# KiCad board RUSP_Mainboard_panelMockup.kicad_pcb (continued)
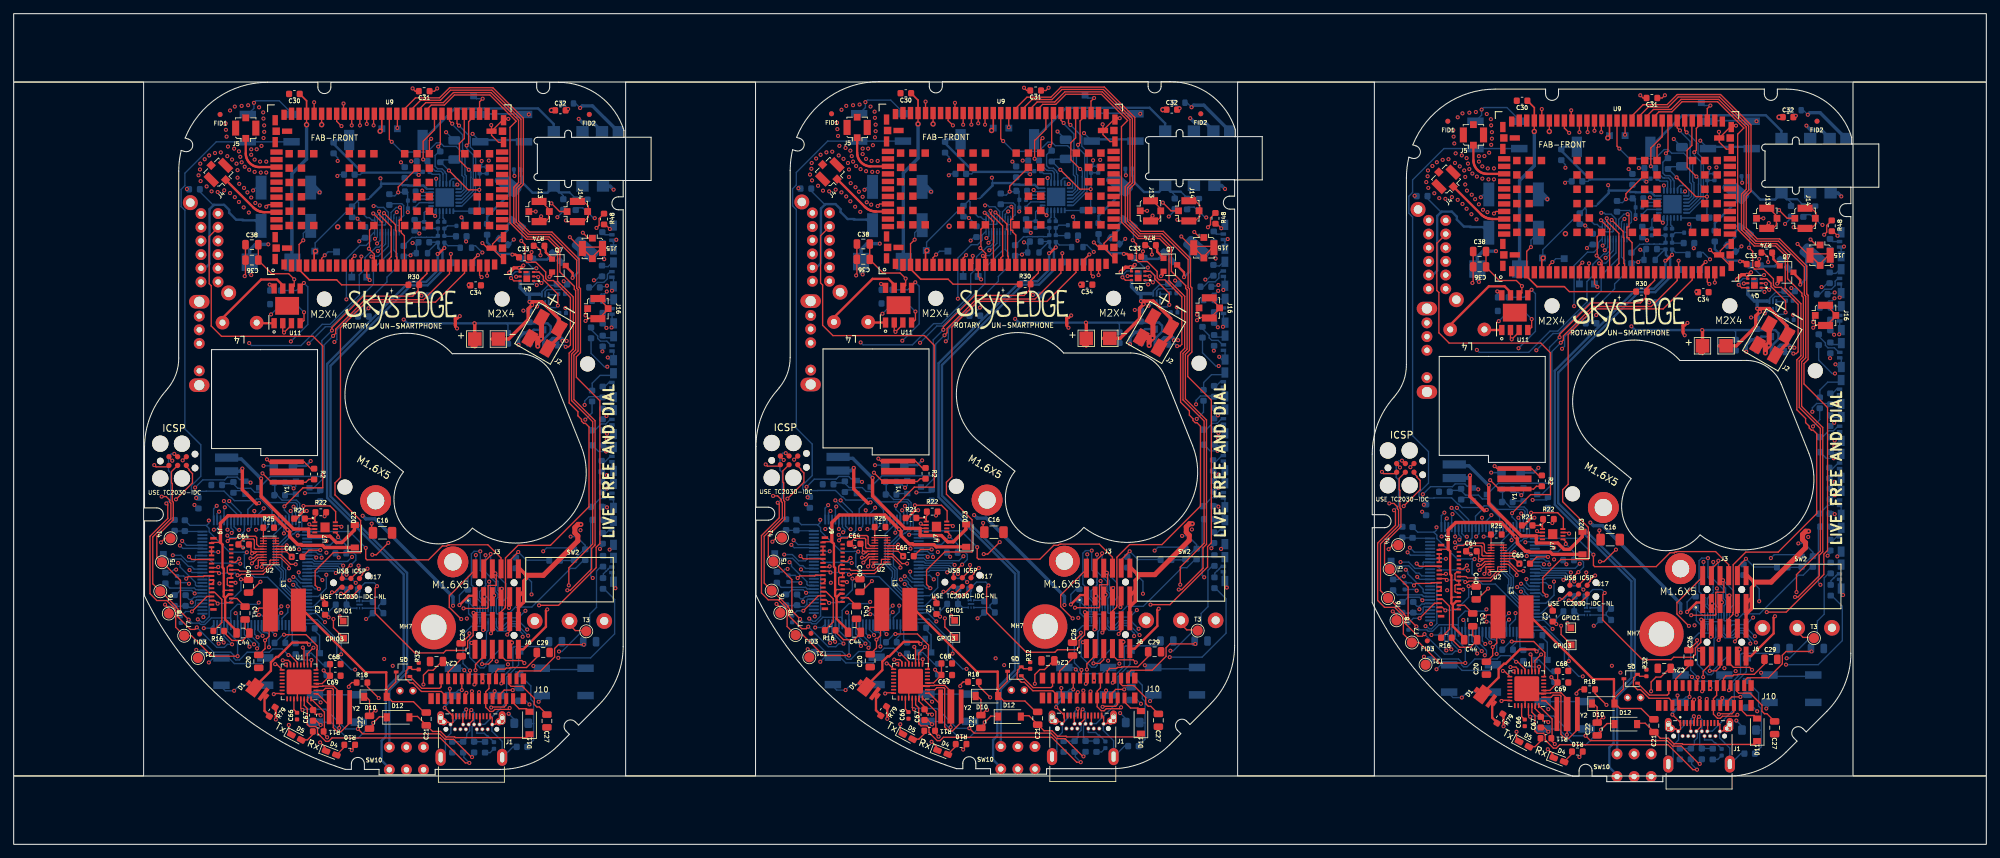
[diagram p0: board, top side]
## Placement (name value [footprint] x y rotation side) (continued)
J6  12p Male Samtec Connector  [Samtec_2x6Header_FTSH-106-01-L-DV]  70.64 30.56 0 top
J6#2  12p Male Samtec Connector  [Samtec_2x6Header_FTSH-106-01-L-DV]  160.06 30.66 0 top
J6#3  12p Male Samtec Connector  [Samtec_2x6Header_FTSH-106-01-L-DV]  250.19 29.57 0 top
J7  Conn_02x03_Counter_Clockwise  [Tag-Connect_TC2030-IDC]  21.44 56.06 0 top
J7#2  Conn_02x03_Counter_Clockwise  [Tag-Connect_TC2030-IDC]  200.99 55.07 0 top
J7#3  Conn_02x03_Counter_Clockwise  [Tag-Connect_TC2030-IDC]  110.86 56.16 0 top
J8  TRRS Jack  [AudioJack_TRRS_CUI_SJ-43617-SMT-TR]  89.19 100.26 180 bottom
J8#2  TRRS Jack  [AudioJack_TRRS_CUI_SJ-43617-SMT-TR]  178.61 100.36 180 bottom
J8#3  TRRS Jack  [AudioJack_TRRS_CUI_SJ-43617-SMT-TR]  268.74 99.27 180 bottom
J9  FPC Connector for OLED  [Hirose_FPC_FH26W-31S-0.3SHW(60)]  30.24 39.26 270 top
J9#2  FPC Connector for OLED  [Hirose_FPC_FH26W-31S-0.3SHW(60)]  209.79 38.27 270 top
J9#3  FPC Connector for OLED  [Hirose_FPC_FH26W-31S-0.3SHW(60)]  119.66 39.36 270 top
J10  FPC Connector for ePaper  [Molex_24pFPC_Vert_0525592452]  67.54 22.76 0 top
J10#2  FPC Connector for ePaper  [Molex_24pFPC_Vert_0525592452]  247.09 21.77 0 top
J10#3  FPC Connector for ePaper  [Molex_24pFPC_Vert_0525592452]  156.96 22.86 0 top
J13  U.FL  [U.FL_Molex_MCRF_73412-0110_Vertical]  76.84 92.56 270 top
J13#2  U.FL  [U.FL_Molex_MCRF_73412-0110_Vertical]  166.26 92.66 270 top
J13#3  U.FL  [U.FL_Molex_MCRF_73412-0110_Vertical]  256.39 91.57 270 top
J14  U.FL  [U.FL_Molex_MCRF_73412-0110_Vertical]  82.44 92.56 270 top
J14#2  U.FL  [U.FL_Molex_MCRF_73412-0110_Vertical]  171.86 92.66 270 top
J14#3  U.FL  [U.FL_Molex_MCRF_73412-0110_Vertical]  261.99 91.57 270 top
J15  U.FL  [U.FL_Molex_MCRF_73412-0110_Vertical]  84.64 87.16 180 top
J15#2  U.FL  [U.FL_Molex_MCRF_73412-0110_Vertical]  264.19 86.17 180 top
J15#3  U.FL  [U.FL_Molex_MCRF_73412-0110_Vertical]  174.06 87.26 180 top
J16  U.FL  [U.FL_Molex_MCRF_73412-0110_Vertical]  85.44 78.36 270 top
J16#2  U.FL  [U.FL_Molex_MCRF_73412-0110_Vertical]  264.99 77.37 270 top
J16#3  U.FL  [U.FL_Molex_MCRF_73412-0110_Vertical]  174.86 78.46 270 top
J17  Conn_02x03_Counter_Clockwise  [Tag-Connect_TC2030-IDC_MINIMAL]  49.17 38.25 0 top
J17#2  Conn_02x03_Counter_Clockwise  [Tag-Connect_TC2030-IDC_MINIMAL]  228.72 37.26 0 top
J17#3  Conn_02x03_Counter_Clockwise  [Tag-Connect_TC2030-IDC_MINIMAL]  138.59 38.35 0 top
L1  Ferrite Bead for VBus  [R_0805_2012Metric_Pad1.15x1.40mm_HandSolder]  74.24 17.71 180 bottom
L1#2  Ferrite Bead for VBus  [R_0805_2012Metric_Pad1.15x1.40mm_HandSolder]  253.79 16.72 180 bottom
L1#3  Ferrite Bead for VBus  [R_0805_2012Metric_Pad1.15x1.40mm_HandSolder]  163.66 17.81 180 bottom
L2  4.7uH  [Inductor_Wurth_74438336100]  31.14 55.56 90 bottom
L2#2  4.7uH  [Inductor_Wurth_74438336100]  120.56 55.66 90 bottom
L2#3  4.7uH  [Inductor_Wurth_74438336100]  210.69 54.57 90 bottom
L3  10uH  [Inductor10uH_Wurth_744053100]  39.59 34.26 270 top
L3#2  10uH  [Inductor10uH_Wurth_744053100]  129.01 34.36 270 top
L3#3  10uH  [Inductor10uH_Wurth_744053100]  219.14 33.27 270 top
L4  Solenoid Inductor  [BournsInductor_RLB9012-472KL]  212.59 75.27 180 top
L4#2  Solenoid Inductor  [BournsInductor_RLB9012-472KL]  33.04 76.26 180 top
L4#3  Solenoid Inductor  [BournsInductor_RLB9012-472KL]  122.46 76.36 180 top
L5  EMI Ferrite  [L_0402_1005Metric]  62.99 88.51 270 bottom
L5#2  EMI Ferrite  [L_0402_1005Metric]  152.41 88.61 270 bottom
L5#3  EMI Ferrite  [L_0402_1005Metric]  242.54 87.52 270 bottom
L6  EMI Ferrite  [L_0402_1005Metric]  62.04 88.51 270 bottom
L6#2  EMI Ferrite  [L_0402_1005Metric]  151.46 88.61 270 bottom
L6#3  EMI Ferrite  [L_0402_1005Metric]  241.59 87.52 270 bottom
L7  EMI Ferrite  [L_0402_1005Metric]  73.64 98.71 180 bottom
L7#2  EMI Ferrite  [L_0402_1005Metric]  163.06 98.81 180 bottom
L7#3  EMI Ferrite  [L_0402_1005Metric]  253.19 97.72 180 bottom
L8  EMI Ferrite  [L_0402_1005Metric]  60.34 98.36 0 bottom
L8#2  EMI Ferrite  [L_0402_1005Metric]  239.89 97.37 0 bottom
L8#3  EMI Ferrite  [L_0402_1005Metric]  149.76 98.46 0 bottom
LOGO1  Logo1  [SkysEdge_21mm]  56.74 79.21 0 top
LOGO1#2  Logo1  [SkysEdge_21mm]  146.16 79.31 0 top
LOGO1#3  Logo1  [SkysEdge_21mm]  236.29 78.22 0 top
LOGO2  Logo2  [SkysEdge_18mm]  56.49 108.76 180 bottom
LOGO2#2  Logo2  [SkysEdge_18mm]  236.04 107.77 180 bottom
LOGO2#3  Logo2  [SkysEdge_18mm]  145.91 108.86 180 bottom
LS1  Speaker (DNP)  [Speaker_PUI_AR01232MS-SC12-WP-R]  54.44 105.26 180 bottom
LS1#2  Speaker (DNP)  [Speaker_PUI_AR01232MS-SC12-WP-R]  143.86 105.36 180 bottom
LS1#3  Speaker (DNP)  [Speaker_PUI_AR01232MS-SC12-WP-R]  233.99 104.27 180 bottom
MH1  MountingHole  [MountingHole_2.2mm_M2]  45.44 79.76 0 top
MH1#2  MountingHole  [MountingHole_2.2mm_M2]  224.99 78.77 0 top
MH1#3  MountingHole  [MountingHole_2.2mm_M2]  134.86 79.86 0 top
MH3  MountingHole  [MountingHole_2.2mm_M2]  48.44 52.26 0 top
MH3#2  MountingHole  [MountingHole_2.2mm_M2]  137.86 52.36 0 top
MH3#3  MountingHole  [MountingHole_2.2mm_M2]  227.99 51.27 0 top
MH4  MountingHole  [MountingHole_2.2mm_M2]  71.44 79.76 0 top
MH4#2  MountingHole  [MountingHole_2.2mm_M2]  250.99 78.77 0 top
MH4#3  MountingHole  [MountingHole_2.2mm_M2]  160.86 79.86 0 top
MH7  M2 SMT Nut  [SMTSO-M2-3ET]  61.44 31.76 0 top
MH7#2  M2 SMT Nut  [SMTSO-M2-3ET]  240.99 30.77 0 top
MH7#3  M2 SMT Nut  [SMTSO-M2-3ET]  150.86 31.86 0 top
MH8  MountingHole  [MountingHole_2.2mm_M2]  83.94 70.26 0 top
MH8#2  MountingHole  [MountingHole_2.2mm_M2]  173.36 70.36 0 top
MH8#3  MountingHole  [MountingHole_2.2mm_M2]  263.49 69.27 0 top
MH9  M1.6 SMT Nut  [SMTSO-M1.6-1ET]  52.94 50.31 0 bottom
MH9#2  M1.6 SMT Nut  [SMTSO-M1.6-1ET]  142.36 50.41 0 bottom
MH9#3  M1.6 SMT Nut  [SMTSO-M1.6-1ET]  232.49 49.32 0 bottom
MH10  M1.6 SMT Nut  [SMTSO-M1.6-1ET]  64.24 41.36 0 bottom
MH10#2  M1.6 SMT Nut  [SMTSO-M1.6-1ET]  243.79 40.37 0 bottom
MH10#3  M1.6 SMT Nut  [SMTSO-M1.6-1ET]  153.66 41.46 0 bottom
MK1  2k2 Electret Mic  [Microphone_PUI_POM-2738P-R]  57.44 23.26 0 bottom
MK1#2  2k2 Electret Mic  [Microphone_PUI_POM-2738P-R]  236.99 22.27 0 bottom
MK1#3  2k2 Electret Mic  [Microphone_PUI_POM-2738P-R]  146.86 23.36 0 bottom
NT2  Net-Tie_2  [NetTie-2_SMD_Pad0.5mm]  64.59 76.41 90 top
NT2#2  Net-Tie_2  [NetTie-2_SMD_Pad0.5mm]  154.01 76.51 90 top
NT2#3  Net-Tie_2  [NetTie-2_SMD_Pad0.5mm]  244.14 75.42 90 top
Q1  DMG2302UK-7  [SOT-23]  42.26 52.16 0 bottom
Q1#2  DMG2302UK-7  [SOT-23]  131.69 52.26 0 bottom
Q1#3  DMG2302UK-7  [SOT-23]  221.81 51.17 0 bottom
Q2  DMG2302UK-7  [SOT-23]  34.89 52.16 0 bottom
Q2#2  DMG2302UK-7  [SOT-23]  214.44 51.17 0 bottom
Q2#3  DMG2302UK-7  [SOT-23]  124.31 52.26 0 bottom
Q3  CSD16301Q2  [TI_CSD16301Q2]  75.04 83.06 180 bottom
Q3#2  CSD16301Q2  [TI_CSD16301Q2]  254.59 82.07 180 bottom
Q3#3  CSD16301Q2  [TI_CSD16301Q2]  164.46 83.16 180 bottom
Q4  CSD16301Q2  [TI_CSD16301Q2]  75.04 83.06 180 top
Q4#2  CSD16301Q2  [TI_CSD16301Q2]  254.59 82.07 180 top
Q4#3  CSD16301Q2  [TI_CSD16301Q2]  164.46 83.16 180 top
Q5  N-MOSFET 30V 1.4A  [SOT-323_SC-70]  56.94 25.21 180 top
Q5#2  N-MOSFET 30V 1.4A  [SOT-323_SC-70]  146.36 25.31 180 top
Q5#3  N-MOSFET 30V 1.4A  [SOT-323_SC-70]  236.49 24.22 180 top
Q6  MMBT3904  [SOT-23]  43.89 28.96 90 bottom
Q6#2  MMBT3904  [SOT-23]  223.44 27.97 90 bottom
Q6#3  MMBT3904  [SOT-23]  133.31 29.06 90 bottom
Q7  MMBT3904  [SOT-23]  79.74 84.66 0 top
Q7#2  MMBT3904  [SOT-23]  259.29 83.67 0 top
Q7#3  MMBT3904  [SOT-23]  169.16 84.76 0 top
R1  10k  [R_0603_1608Metric]  25.14 35.66 90 bottom
R1#2  10k  [R_0603_1608Metric]  204.69 34.67 90 bottom
R1#3  10k  [R_0603_1608Metric]  114.56 35.76 90 bottom
R2  1M  [R_0603_1608Metric]  43.94 54.16 270 top
R2#2  1M  [R_0603_1608Metric]  133.36 54.26 270 top
R2#3  1M  [R_0603_1608Metric]  223.49 53.17 270 top
R3  27R  [R_0603_1608Metric]  22.19 38.96 270 bottom
R3#2  27R  [R_0603_1608Metric]  111.61 39.06 270 bottom
R3#3  27R  [R_0603_1608Metric]  201.74 37.97 270 bottom
R4  5k1  [R_0402_1005Metric]  70.24 14.46 270 bottom
R4#2  5k1  [R_0402_1005Metric]  249.79 13.47 270 bottom
R4#3  5k1  [R_0402_1005Metric]  159.66 14.56 270 bottom
R5  5k1  [R_0402_1005Metric]  65.29 18.86 180 bottom
R5#2  5k1  [R_0402_1005Metric]  244.84 17.87 180 bottom
R5#3  5k1  [R_0402_1005Metric]  154.71 18.96 180 bottom
R6  27R  [R_0603_1608Metric]  67.34 14.23 90 bottom
R6#2  27R  [R_0603_1608Metric]  246.89 13.23 90 bottom
R6#3  27R  [R_0603_1608Metric]  156.76 14.33 90 bottom
R7  27R  [R_0603_1608Metric]  65.74 14.21 90 bottom
R7#2  27R  [R_0603_1608Metric]  245.29 13.22 90 bottom
R7#3  27R  [R_0603_1608Metric]  155.16 14.31 90 bottom
R8  1k  [R_0603_1608Metric]  41.24 28.61 90 bottom
R8#2  1k  [R_0603_1608Metric]  130.66 28.71 90 bottom
R8#3  1k  [R_0603_1608Metric]  220.79 27.62 90 bottom
R9  1k  [R_0603_1608Metric]  38.94 29.46 180 bottom
R9#2  1k  [R_0603_1608Metric]  128.36 29.56 180 bottom
R9#3  1k  [R_0603_1608Metric]  218.49 28.47 180 bottom
R10  1k  [R_0603_1608Metric]  49.14 14.56 180 top
R10#2  1k  [R_0603_1608Metric]  138.56 14.66 180 top
R10#3  1k  [R_0603_1608Metric]  228.69 13.57 180 top
R11  1k  [R_0603_1608Metric]  44.54 16.51 180 top
R11#2  1k  [R_0603_1608Metric]  133.96 16.61 180 top
R11#3  1k  [R_0603_1608Metric]  224.09 15.52 180 top
R12  330R  [R_0603_1608Metric]  75.44 77.16 90 bottom
R12#2  330R  [R_0603_1608Metric]  254.99 76.17 90 bottom
R12#3  330R  [R_0603_1608Metric]  164.86 77.26 90 bottom
R13  2k2  [R_0402_1005Metric]  80.14 80.51 180 bottom
R13#2  2k2  [R_0402_1005Metric]  169.56 80.61 180 bottom
R13#3  2k2  [R_0402_1005Metric]  259.69 79.52 180 bottom
R14  2k2  [R_0402_1005Metric]  80.29 77.71 180 bottom
R14#2  2k2  [R_0402_1005Metric]  169.71 77.81 180 bottom
R14#3  2k2  [R_0402_1005Metric]  259.84 76.72 180 bottom
R15  10R  [R_0603_1608Metric]  69.24 89.96 270 bottom
R15#2  10R  [R_0603_1608Metric]  248.79 88.97 270 bottom
R15#3  10R  [R_0603_1608Metric]  158.66 90.06 270 bottom
R16  510k  [R_0603_1608Metric]  29.99 31.21 0 top
R16#2  510k  [R_0603_1608Metric]  119.41 31.31 0 top
R16#3  510k  [R_0603_1608Metric]  209.54 30.22 0 top
R17  1k5  [R_0603_1608Metric]  71.64 88.16 325 bottom
R17#2  1k5  [R_0603_1608Metric]  161.06 88.26 325 bottom
R17#3  1k5  [R_0603_1608Metric]  251.19 87.17 325 bottom
R18  10k  [R_0603_1608Metric]  50.94 23.66 0 top
R18#2  10k  [R_0603_1608Metric]  140.36 23.76 0 top
R18#3  10k  [R_0603_1608Metric]  230.49 22.67 0 top
R19  100R  [R_0603_1608Metric]  53.29 33.81 180 bottom
R19#2  100R  [R_0603_1608Metric]  142.71 33.91 180 bottom
R19#3  100R  [R_0603_1608Metric]  232.84 32.82 180 bottom
R20  100R  [R_0603_1608Metric]  26.44 95.82 0 bottom
R20#2  100R  [R_0603_1608Metric]  205.99 94.82 0 bottom
R20#3  100R  [R_0603_1608Metric]  115.86 95.92 0 bottom
R21  1.05M  [R_0603_1608Metric]  41.81 47.64 0 top
R21#2  1.05M  [R_0603_1608Metric]  221.35 46.65 0 top
R21#3  1.05M  [R_0603_1608Metric]  131.23 47.74 0 top
R22  120k  [R_0603_1608Metric]  44.91 48.56 0 top
R22#2  120k  [R_0603_1608Metric]  134.34 48.66 0 top
R22#3  120k  [R_0603_1608Metric]  224.46 47.57 0 top
R23  1M  [R_0603_1608Metric]  38.29 79.01 180 bottom
R23#2  1M  [R_0603_1608Metric]  127.71 79.11 180 bottom
R23#3  1M  [R_0603_1608Metric]  217.84 78.02 180 bottom
R24  1M  [R_0603_1608Metric]  38.29 81.01 180 bottom
R24#2  1M  [R_0603_1608Metric]  127.71 81.11 180 bottom
R24#3  1M  [R_0603_1608Metric]  217.84 80.02 180 bottom
R25  10k  [R_0603_1608Metric]  37.29 46.31 0 top
R25#2  10k  [R_0603_1608Metric]  126.71 46.41 0 top
R25#3  10k  [R_0603_1608Metric]  216.84 45.32 0 top
R26  100k  [R_0603_1608Metric]  83.59 42.36 270 bottom
R26#2  100k  [R_0603_1608Metric]  173.01 42.46 270 bottom
R26#3  100k  [R_0603_1608Metric]  263.14 41.37 270 bottom
R27  100k  [R_0603_1608Metric]  81.94 42.36 90 bottom
R27#2  100k  [R_0603_1608Metric]  171.36 42.46 90 bottom
R27#3  100k  [R_0603_1608Metric]  261.49 41.37 90 bottom
R28  10k  [R_0603_1608Metric]  23.54 46.66 90 bottom
R28#2  10k  [R_0603_1608Metric]  112.96 46.76 90 bottom
R28#3  10k  [R_0603_1608Metric]  203.09 45.67 90 bottom
R29  1k  [R_0603_1608Metric]  25.04 46.61 90 bottom
R29#2  1k  [R_0603_1608Metric]  204.59 45.62 90 bottom
R29#3  1k  [R_0603_1608Metric]  114.46 46.71 90 bottom
R30  100k  [R_0603_1608Metric]  58.51 81.84 0 top
R30#2  100k  [R_0603_1608Metric]  147.94 81.94 0 top
R30#3  100k  [R_0603_1608Metric]  238.06 80.84 0 top
R32  0.47R  [R_0402_1005Metric]  59.24 26.06 90 top
R32#2  0.47R  [R_0402_1005Metric]  238.79 25.07 90 top
R32#3  0.47R  [R_0402_1005Metric]  148.66 26.16 90 top
R33  10k  [R_0603_1608Metric]  54.94 94.31 90 bottom
R33#2  10k  [R_0603_1608Metric]  144.36 94.41 90 bottom
R33#3  10k  [R_0603_1608Metric]  234.49 93.32 90 bottom
R34  1M  [R_0603_1608Metric]  38.89 52.91 0 bottom
R34#2  1M  [R_0603_1608Metric]  128.31 53.01 0 bottom
R34#3  1M  [R_0603_1608Metric]  218.44 51.92 0 bottom
R35  2k2  [R_0402_1005Metric]  65.24 90.46 0 bottom
R35#2  2k2  [R_0402_1005Metric]  244.79 89.47 0 bottom
R35#3  2k2  [R_0402_1005Metric]  154.66 90.56 0 bottom
R36  4k7  [R_0603_1608Metric]  59.74 99.91 0 bottom
R36#2  4k7  [R_0603_1608Metric]  239.29 98.92 0 bottom
R36#3  4k7  [R_0603_1608Metric]  149.16 100.01 0 bottom
R37  4k7  [R_0603_1608Metric]  62.39 100.56 90 bottom
R37#2  4k7  [R_0603_1608Metric]  151.81 100.66 90 bottom
R37#3  4k7  [R_0603_1608Metric]  241.94 99.57 90 bottom
R38  2k2  [R_0402_1005Metric]  60.04 90.56 90 bottom
R38#2  2k2  [R_0402_1005Metric]  149.46 90.66 90 bottom
R38#3  2k2  [R_0402_1005Metric]  239.59 89.57 90 bottom
R39  10k  [R_0603_1608Metric]  67.69 92.66 180 bottom
R39#2  10k  [R_0603_1608Metric]  247.24 91.67 180 bottom
R39#3  10k  [R_0603_1608Metric]  157.11 92.76 180 bottom
R40  100R  [R_0603_1608Metric]  38.89 51.06 180 bottom
R40#2  100R  [R_0603_1608Metric]  128.31 51.16 180 bottom
R40#3  100R  [R_0603_1608Metric]  218.44 50.07 180 bottom
R41  1M  [R_0603_1608Metric]  29.69 52.56 180 bottom
R41#2  1M  [R_0603_1608Metric]  209.24 51.57 180 bottom
R41#3  1M  [R_0603_1608Metric]  119.11 52.66 180 bottom
R44  160R (100R for LTST-C191TBKT)  [R_0603_1608Metric]  75.19 85.66 180 bottom
R44#2  160R (100R for LTST-C191TBKT)  [R_0603_1608Metric]  254.74 84.67 180 bottom
R44#3  160R (100R for LTST-C191TBKT)  [R_0603_1608Metric]  164.61 85.76 180 bottom
R45  1k5  [R_0603_1608Metric]  85.99 55.31 270 bottom
R45#2  1k5  [R_0603_1608Metric]  265.54 54.32 270 bottom
R45#3  1k5  [R_0603_1608Metric]  175.41 55.41 270 bottom
R46  1k5  [R_0603_1608Metric]  85.44 58.36 180 bottom
R46#2  1k5  [R_0603_1608Metric]  264.99 57.37 180 bottom
R46#3  1k5  [R_0603_1608Metric]  174.86 58.46 180 bottom
R47  1k5  [R_0603_1608Metric]  86.09 88.76 270 bottom
R47#2  1k5  [R_0603_1608Metric]  175.51 88.86 270 bottom
R47#3  1k5  [R_0603_1608Metric]  265.64 87.77 270 bottom
R48  1k5  [R_0603_1608Metric]  86.34 91.46 90 top
R48#2  1k5  [R_0603_1608Metric]  175.76 91.56 90 top
R48#3  1k5  [R_0603_1608Metric]  265.89 90.47 90 top
R49  1k5  [R_0603_1608Metric]  86.19 38.16 270 bottom
R49#2  1k5  [R_0603_1608Metric]  265.74 37.17 270 bottom
R49#3  1k5  [R_0603_1608Metric]  175.61 38.26 270 bottom
R50  1k5  [R_0603_1608Metric]  86.19 41.41 270 bottom
R50#2  1k5  [R_0603_1608Metric]  175.61 41.51 270 bottom
R50#3  1k5  [R_0603_1608Metric]  265.74 40.42 270 bottom
R51  1k5  [R_0603_1608Metric]  86.14 44.76 270 bottom
R51#2  1k5  [R_0603_1608Metric]  175.56 44.86 270 bottom
R51#3  1k5  [R_0603_1608Metric]  265.69 43.77 270 bottom
R52  1k5  [R_0603_1608Metric]  85.44 47.46 180 bottom
R52#2  1k5  [R_0603_1608Metric]  174.86 47.56 180 bottom
R52#3  1k5  [R_0603_1608Metric]  264.99 46.47 180 bottom
R53  1k5  [R_0603_1608Metric]  85.24 49.36 0 bottom
R53#2  1k5  [R_0603_1608Metric]  174.66 49.46 0 bottom
R53#3  1k5  [R_0603_1608Metric]  264.79 48.37 0 bottom
R54  1k5  [R_0603_1608Metric]  86.06 52.26 270 bottom
R54#2  1k5  [R_0603_1608Metric]  265.61 51.27 270 bottom
R54#3  1k5  [R_0603_1608Metric]  175.49 52.36 270 bottom
R55  1k5  [R_0603_1608Metric]  84.94 81.46 0 bottom
R55#2  1k5  [R_0603_1608Metric]  174.36 81.56 0 bottom
R55#3  1k5  [R_0603_1608Metric]  264.49 80.47 0 bottom
R56  1k5  [R_0603_1608Metric]  86.04 83.86 270 bottom
R56#2  1k5  [R_0603_1608Metric]  265.59 82.87 270 bottom
R56#3  1k5  [R_0603_1608Metric]  175.46 83.96 270 bottom
R57  1k5  [R_0603_1608Metric]  86.14 76.96 270 bottom
R57#2  1k5  [R_0603_1608Metric]  265.69 75.97 270 bottom
R57#3  1k5  [R_0603_1608Metric]  175.56 77.06 270 bottom
R58  1k5  [R_0603_1608Metric]  85.39 79.51 180 bottom
R58#2  1k5  [R_0603_1608Metric]  174.81 79.61 180 bottom
R58#3  1k5  [R_0603_1608Metric]  264.94 78.52 180 bottom
R59  1k5  [R_0603_1608Metric]  84.44 74.81 270 bottom
R59#2  1k5  [R_0603_1608Metric]  173.86 74.91 270 bottom
R59#3  1k5  [R_0603_1608Metric]  263.99 73.82 270 bottom
R60  1k5  [R_0603_1608Metric]  86.14 73.61 270 bottom
R60#2  1k5  [R_0603_1608Metric]  175.56 73.71 270 bottom
R60#3  1k5  [R_0603_1608Metric]  265.69 72.62 270 bottom
R61  1k5  [R_0603_1608Metric]  86.14 66.16 270 bottom
R61#2  1k5  [R_0603_1608Metric]  265.69 65.17 270 bottom
R61#3  1k5  [R_0603_1608Metric]  175.56 66.26 270 bottom
R62  1k5  [R_0603_1608Metric]  84.59 65.58 270 bottom
R62#2  1k5  [R_0603_1608Metric]  264.14 64.58 270 bottom
R62#3  1k5  [R_0603_1608Metric]  174.01 65.68 270 bottom
R63  1k5  [R_0603_1608Metric]  85.34 60.56 0 bottom
R63#2  1k5  [R_0603_1608Metric]  174.76 60.66 0 bottom
R63#3  1k5  [R_0603_1608Metric]  264.89 59.57 0 bottom
R64  1k5  [R_0603_1608Metric]  86.14 62.96 270 bottom
R64#2  1k5  [R_0603_1608Metric]  175.56 63.06 270 bottom
R64#3  1k5  [R_0603_1608Metric]  265.69 61.97 270 bottom
R65  100R  [R_0603_1608Metric]  32.14 52.21 90 bottom
R65#2  100R  [R_0603_1608Metric]  121.56 52.31 90 bottom
R65#3  100R  [R_0603_1608Metric]  211.69 51.22 90 bottom
R73  1M  [R_0603_1608Metric]  53.29 35.46 0 bottom
R73#2  1M  [R_0603_1608Metric]  142.71 35.56 0 bottom
R73#3  1M  [R_0603_1608Metric]  232.84 34.47 0 bottom
R74  1k  [R_0603_1608Metric]  76.84 87.54 180 top
R74#2  1k  [R_0603_1608Metric]  256.39 86.55 180 top
R74#3  1k  [R_0603_1608Metric]  166.26 87.64 180 top
R75  10k  [R_0603_1608Metric]  66.44 36.44 90 bottom
R75#2  10k  [R_0603_1608Metric]  155.86 36.54 90 bottom
R75#3  10k  [R_0603_1608Metric]  245.99 35.44 90 bottom
R78  1k  [R_0603_1608Metric]  43.24 31.59 180 bottom
R78#2  1k  [R_0603_1608Metric]  222.79 30.59 180 bottom
R78#3  1k  [R_0603_1608Metric]  132.66 31.69 180 bottom
R79  18R  [R_0603_1608Metric]  37.81 19.39 58 top
R79#2  18R  [R_0603_1608Metric]  217.36 18.4 58 top
R79#3  18R  [R_0603_1608Metric]  127.24 19.49 58 top
RSVD1  TestPoint_Alt  [TestPoint_Pad_1.0x1.0mm]  67.26 109.49 0 bottom
RSVD1#2  TestPoint_Alt  [TestPoint_Pad_1.0x1.0mm]  246.81 108.49 0 bottom
RSVD1#3  TestPoint_Alt  [TestPoint_Pad_1.0x1.0mm]  156.69 109.59 0 bottom
SW1  Mode Switch SP3T  [SP3T_OS103011MA7QP1]  27.14 73.26 90 bottom
SW1#2  Mode Switch SP3T  [SP3T_OS103011MA7QP1]  116.56 73.36 90 bottom
SW1#3  Mode Switch SP3T  [SP3T_OS103011MA7QP1]  206.69 72.27 90 bottom
SW2  Roller Switch for Rotary Dial  [LimitSwitch_D2F-01FL2-A1]  81.29 36.96 0 top
SW2#2  Roller Switch for Rotary Dial  [LimitSwitch_D2F-01FL2-A1]  260.84 35.97 0 top
SW2#3  Roller Switch for Rotary Dial  [LimitSwitch_D2F-01FL2-A1]  170.71 37.06 0 top
SW3  Tactile Switch  [TactileSwitch_Panasonic_EVQ-Q2Y03W]  80.44 23.76 180 bottom
SW3#2  Tactile Switch  [TactileSwitch_Panasonic_EVQ-Q2Y03W]  169.86 23.86 180 bottom
SW3#3  Tactile Switch  [TactileSwitch_Panasonic_EVQ-Q2Y03W]  259.99 22.77 180 bottom
SW4  Tactile Switch  [TactileSwitch_Panasonic_EVQ-Q2Y03W]  71.44 104.76 0 bottom
SW4#2  Tactile Switch  [TactileSwitch_Panasonic_EVQ-Q2Y03W]  160.86 104.86 0 bottom
SW4#3  Tactile Switch  [TactileSwitch_Panasonic_EVQ-Q2Y03W]  250.99 103.77 0 bottom
SW5  Tactile Switch  [TactileSwitch_Panasonic_EVQ-Q2Y03W]  47.27 19.88 180 bottom
SW5#2  Tactile Switch  [TactileSwitch_Panasonic_EVQ-Q2Y03W]  226.82 18.88 180 bottom
SW5#3  Tactile Switch  [TactileSwitch_Panasonic_EVQ-Q2Y03W]  136.69 19.98 180 bottom
SW6  Tactile Switch  [TactileSwitch_Panasonic_EVQ-Q2Y03W]  67.44 23.76 180 bottom
SW6#2  Tactile Switch  [TactileSwitch_Panasonic_EVQ-Q2Y03W]  156.86 23.86 180 bottom
SW6#3  Tactile Switch  [TactileSwitch_Panasonic_EVQ-Q2Y03W]  246.99 22.77 180 bottom
SW7  Tactile Switch  [TactileSwitch_Panasonic_EVQ-Q2Y03W]  37.44 104.76 0 bottom
SW7#2  Tactile Switch  [TactileSwitch_Panasonic_EVQ-Q2Y03W]  216.99 103.77 0 bottom
SW7#3  Tactile Switch  [TactileSwitch_Panasonic_EVQ-Q2Y03W]  126.86 104.86 0 bottom
SW8  Tactile Switch  [TactileSwitch_Panasonic_EVQ-Q2Y03W]  33.59 25.26 180 bottom
SW8#2  Tactile Switch  [TactileSwitch_Panasonic_EVQ-Q2Y03W]  213.13 24.27 180 bottom
SW8#3  Tactile Switch  [TactileSwitch_Panasonic_EVQ-Q2Y03W]  123.01 25.37 180 bottom
SW9  Power Switch 4P2T  [Switch_4PDT_ESwitch-EG4208]  28.64 87.26 270 bottom
SW9#2  Power Switch 4P2T  [Switch_4PDT_ESwitch-EG4208]  208.19 86.27 270 bottom
SW9#3  Power Switch 4P2T  [Switch_4PDT_ESwitch-EG4208]  118.06 87.36 270 bottom
SW10  Mic Switch DPDT  [Switch_DPDT_Nidec_CL-SB-22C-XX]  57.44 12.56 0 top
SW10#2  Mic Switch DPDT  [Switch_DPDT_Nidec_CL-SB-22C-XX]  236.99 11.57 0 top
SW10#3  Mic Switch DPDT  [Switch_DPDT_Nidec_CL-SB-22C-XX]  146.86 12.66 0 top
T2  TestPoint_Alt  [TestPoint_Pad_1.0x1.0mm]  49.44 82.96 0 bottom
T2#2  TestPoint_Alt  [TestPoint_Pad_1.0x1.0mm]  228.99 81.97 0 bottom
T2#3  TestPoint_Alt  [TestPoint_Pad_1.0x1.0mm]  138.86 83.06 0 bottom
T3  TestPoint_Alt  [TestPoint_Pad_D1.5mm]  83.74 31.16 0 top
T3#2  TestPoint_Alt  [TestPoint_Pad_D1.5mm]  263.29 30.17 0 top
T3#3  TestPoint_Alt  [TestPoint_Pad_D1.5mm]  173.16 31.26 0 top
T4  TestPoint_Alt  [TestPoint_Pad_D1.5mm]  22.94 44.76 270 top
T4#2  TestPoint_Alt  [TestPoint_Pad_D1.5mm]  112.36 44.86 270 top
T4#3  TestPoint_Alt  [TestPoint_Pad_D1.5mm]  202.49 43.77 270 top
T5  TestPoint_Alt  [TestPoint_Pad_D1.5mm]  21.69 41.26 90 top
T5#2  TestPoint_Alt  [TestPoint_Pad_D1.5mm]  201.24 40.27 90 top
T5#3  TestPoint_Alt  [TestPoint_Pad_D1.5mm]  111.11 41.36 90 top
T6  TestPoint_Alt  [TestPoint_Pad_D1.5mm]  21.44 37.01 90 top
T6#2  TestPoint_Alt  [TestPoint_Pad_D1.5mm]  110.86 37.11 90 top
T6#3  TestPoint_Alt  [TestPoint_Pad_D1.5mm]  200.99 36.02 90 top
T7  TestPoint_Alt  [TestPoint_Pad_D1.5mm]  24.94 30.51 90 top
T7#2  TestPoint_Alt  [TestPoint_Pad_D1.5mm]  204.49 29.52 90 top
T7#3  TestPoint_Alt  [TestPoint_Pad_D1.5mm]  114.36 30.61 90 top
T8  TestPoint_Alt  [TestPoint_Pad_D1.5mm]  22.69 33.76 90 top
T8#2  TestPoint_Alt  [TestPoint_Pad_D1.5mm]  202.24 32.77 90 top
T8#3  TestPoint_Alt  [TestPoint_Pad_D1.5mm]  112.11 33.86 90 top
T9  TestPoint_Alt  [TestPoint_Pad_1.0x1.0mm]  51.64 82.96 0 bottom
T9#2  TestPoint_Alt  [TestPoint_Pad_1.0x1.0mm]  231.19 81.97 0 bottom
T9#3  TestPoint_Alt  [TestPoint_Pad_1.0x1.0mm]  141.06 83.06 0 bottom
T10  TestPoint_Alt  [TestPoint_Pad_1.0x1.0mm]  67.04 85.06 0 bottom
T10#2  TestPoint_Alt  [TestPoint_Pad_1.0x1.0mm]  156.46 85.16 0 bottom
T10#3  TestPoint_Alt  [TestPoint_Pad_1.0x1.0mm]  246.59 84.07 0 bottom
T11  TestPoint_Alt  [TestPoint_Pad_1.0x1.0mm]  53.84 104.66 0 bottom
T11#2  TestPoint_Alt  [TestPoint_Pad_1.0x1.0mm]  143.26 104.76 0 bottom
T11#3  TestPoint_Alt  [TestPoint_Pad_1.0x1.0mm]  233.39 103.67 0 bottom
T12  TestPoint_Alt  [TestPoint_Pad_1.0x1.0mm]  44.04 86.76 0 bottom
T12#2  TestPoint_Alt  [TestPoint_Pad_1.0x1.0mm]  223.59 85.77 0 bottom
T12#3  TestPoint_Alt  [TestPoint_Pad_1.0x1.0mm]  133.46 86.86 0 bottom
T13  TestPoint_Alt  [TestPoint_Pad_1.0x1.0mm]  56.12 104.66 0 bottom
T13#2  TestPoint_Alt  [TestPoint_Pad_1.0x1.0mm]  235.66 103.67 0 bottom
T13#3  TestPoint_Alt  [TestPoint_Pad_1.0x1.0mm]  145.54 104.76 0 bottom
T14  TestPoint_Alt  [TestPoint_Pad_1.0x1.0mm]  60.79 80.24 0 bottom
T14#2  TestPoint_Alt  [TestPoint_Pad_1.0x1.0mm]  240.34 79.24 0 bottom
T14#3  TestPoint_Alt  [TestPoint_Pad_1.0x1.0mm]  150.21 80.34 0 bottom
T15  TestPoint_Alt  [TestPoint_Pad_1.0x1.0mm]  63.94 85.06 0 bottom
T15#2  TestPoint_Alt  [TestPoint_Pad_1.0x1.0mm]  243.49 84.07 0 bottom
T15#3  TestPoint_Alt  [TestPoint_Pad_1.0x1.0mm]  153.36 85.16 0 bottom
T20  TestPoint_Alt  [TestPoint_Pad_1.0x1.0mm]  47.22 86.66 0 bottom
T20#2  TestPoint_Alt  [TestPoint_Pad_1.0x1.0mm]  136.64 86.76 0 bottom
T20#3  TestPoint_Alt  [TestPoint_Pad_1.0x1.0mm]  226.76 85.67 0 bottom
T21  TestPoint_Alt  [TestPoint_Pad_D1.5mm]  26.94 27.26 180 top
T21#2  TestPoint_Alt  [TestPoint_Pad_D1.5mm]  206.49 26.27 180 top
T21#3  TestPoint_Alt  [TestPoint_Pad_D1.5mm]  116.36 27.36 180 top
TP1  TestPoint  [TestPoint_Pad_2.0x2.0mm]  70.89 73.91 0 top
TP1#2  TestPoint  [TestPoint_Pad_2.0x2.0mm]  160.31 74.01 0 top
TP1#3  TestPoint  [TestPoint_Pad_2.0x2.0mm]  250.44 72.92 0 top
TP2  TestPoint  [TestPoint_Pad_2.0x2.0mm]  156.86 74.01 0 top
TP2#2  TestPoint  [TestPoint_Pad_2.0x2.0mm]  246.99 72.92 0 top
TP2#3  TestPoint  [TestPoint_Pad_2.0x2.0mm]  67.44 73.91 0 top
U1  ATmega16U2-MU as USB Bridge  [QFN-32-1EP_5x5mm_P0.5mm_EP3.65x3.65mm]  41.74 23.76 180 top
U1#2  ATmega16U2-MU as USB Bridge  [QFN-32-1EP_5x5mm_P0.5mm_EP3.65x3.65mm]  221.29 22.77 180 top
U1#3  ATmega16U2-MU as USB Bridge  [QFN-32-1EP_5x5mm_P0.5mm_EP3.65x3.65mm]  131.16 23.86 180 top
U2  Logic Shifter  [TXB0108_USON-20_2x4mm_P0.4mm]  216.97 41.99 180 top
U2#2  Logic Shifter  [TXB0108_USON-20_2x4mm_P0.4mm]  37.42 42.98 180 top
U2#3  Logic Shifter  [TXB0108_USON-20_2x4mm_P0.4mm]  126.84 43.08 180 top
U3  LiPo Undervolt Protection IC  [WSON-6_1.5x1.5mm_P0.5mm]  77.74 79.81 90 bottom
U3#2  LiPo Undervolt Protection IC  [WSON-6_1.5x1.5mm_P0.5mm]  257.29 78.82 90 bottom
U3#3  LiPo Undervolt Protection IC  [WSON-6_1.5x1.5mm_P0.5mm]  167.16 79.91 90 bottom
U4  ATmega2560V-8AU  [ATmega2560_TQFP-100_14x14mm_P0.5mm]  214.81 38.74 90 bottom
U4#2  ATmega2560V-8AU  [ATmega2560_TQFP-100_14x14mm_P0.5mm]  35.26 39.74 90 bottom
U4#3  ATmega2560V-8AU  [ATmega2560_TQFP-100_14x14mm_P0.5mm]  124.69 39.84 90 bottom
U5  Charge Mgmt. IC  [SOT-23-5]  78.54 74.16 90 bottom
U5#2  Charge Mgmt. IC  [SOT-23-5]  258.09 73.17 90 bottom
U5#3  Charge Mgmt. IC  [SOT-23-5]  167.96 74.26 90 bottom
U6  3.3V Linear Regulator  [LDO_MIC5528]  50.59 35.06 0 bottom
U6#2  3.3V Linear Regulator  [LDO_MIC5528]  140.01 35.16 0 bottom
U6#3  3.3V Linear Regulator  [LDO_MIC5528]  230.14 34.07 0 bottom
U7  12V Boost Converter  [BoostConverter_MCP1661]  45.54 46.36 270 top
U7#2  12V Boost Converter  [BoostConverter_MCP1661]  134.96 46.46 270 top
U7#3  12V Boost Converter  [BoostConverter_MCP1661]  225.09 45.37 270 top
U8  Logic Shifter  [TXB0108_USON-20_2x4mm_P0.4mm]  69.59 33.54 90 bottom
U8#2  Logic Shifter  [TXB0108_USON-20_2x4mm_P0.4mm]  249.14 32.55 90 bottom
U8#3  Logic Shifter  [TXB0108_USON-20_2x4mm_P0.4mm]  159.01 33.64 90 bottom
U9  TOBY-R2  [CellModule_TOBY-L2]  54.94 95.76 0 top
U9#2  TOBY-R2  [CellModule_TOBY-L2]  234.49 94.77 0 top
U9#3  TOBY-R2  [CellModule_TOBY-L2]  144.36 95.86 0 top
U10  Logic Shifter  [TXB0108_USON-20_2x4mm_P0.4mm]  54.59 90.44 270 bottom
U10#2  Logic Shifter  [TXB0108_USON-20_2x4mm_P0.4mm]  144.01 90.54 270 bottom
U10#3  Logic Shifter  [TXB0108_USON-20_2x4mm_P0.4mm]  234.14 89.45 270 bottom
U11  Driver for Bell Coil  [SO-8EP]  39.99 78.76 0 top
U11#2  Driver for Bell Coil  [SO-8EP]  219.54 77.77 0 top
U11#3  Driver for Bell Coil  [SO-8EP]  129.41 78.86 0 top
U12  MAX9860 CODEC  [WQFN-24-1EP_4x4mm_P0.5mm_EP2.7x2.7mm]  63.04 94.61 0 bottom
U12#2  MAX9860 CODEC  [WQFN-24-1EP_4x4mm_P0.5mm_EP2.7x2.7mm]  242.59 93.62 0 bottom
U12#3  MAX9860 CODEC  [WQFN-24-1EP_4x4mm_P0.5mm_EP2.7x2.7mm]  152.46 94.71 0 bottom
Y1  8MHz Resonator  [AWSCR-16.00CV-T]  39.94 54.46 90 top
Y1#2  8MHz Resonator  [AWSCR-16.00CV-T]  219.49 53.47 90 top
Y1#3  8MHz Resonator  [AWSCR-16.00CV-T]  129.36 54.56 90 top
Y2  16MHz Resonator  [AWSCR-16.00CV-T]  47.64 20.06 0 top
Y2#2  16MHz Resonator  [AWSCR-16.00CV-T]  137.06 20.16 0 top
Y2#3  16MHz Resonator  [AWSCR-16.00CV-T]  227.19 19.07 0 top

## Library data of the parts
C2 C2#2 C2#3 C3 C3#2 C3#3 C4 C4#2 C4#3 C5 C5#2 C5#3 C6 C6#2 C6#3 C10 C10#2 C10#3 = -: Distrib Part No.: 1276-1000-1-ND; Distrib. Name: Digi-Key; Label: 50V
C8 C8#2 C8#3 C9 C9#2 C9#3 = -: Distrib Part No.: 399-7918-1-ND; Distrib. Name: Digi-Key
C12 C12#2 C12#3 C13 C13#2 C13#3 = -: Mfg. Name: Samsung; Mfg. Part No.: CL10A475KQ8NNNC
C14 C14#2 C14#3 = -: Field8: CHRG. CAP.; Mfg. Name: Wurth; Mfg. Part No.: 865080243007
C15 C15#2 C15#3 C72 C72#2 C72#3 = -: Notes: X5R or X7R
C16 C16#2 C16#3 C17 C17#2 C17#3 C57 C57#2 C57#3 = -: Mfg. Name: TDK; Mfg. Part No.: CGA5L1X7R1V106K160AC
